# Altium PCB RGV_Control_1V21.PcbDoc (part 2 of 6) (continued)
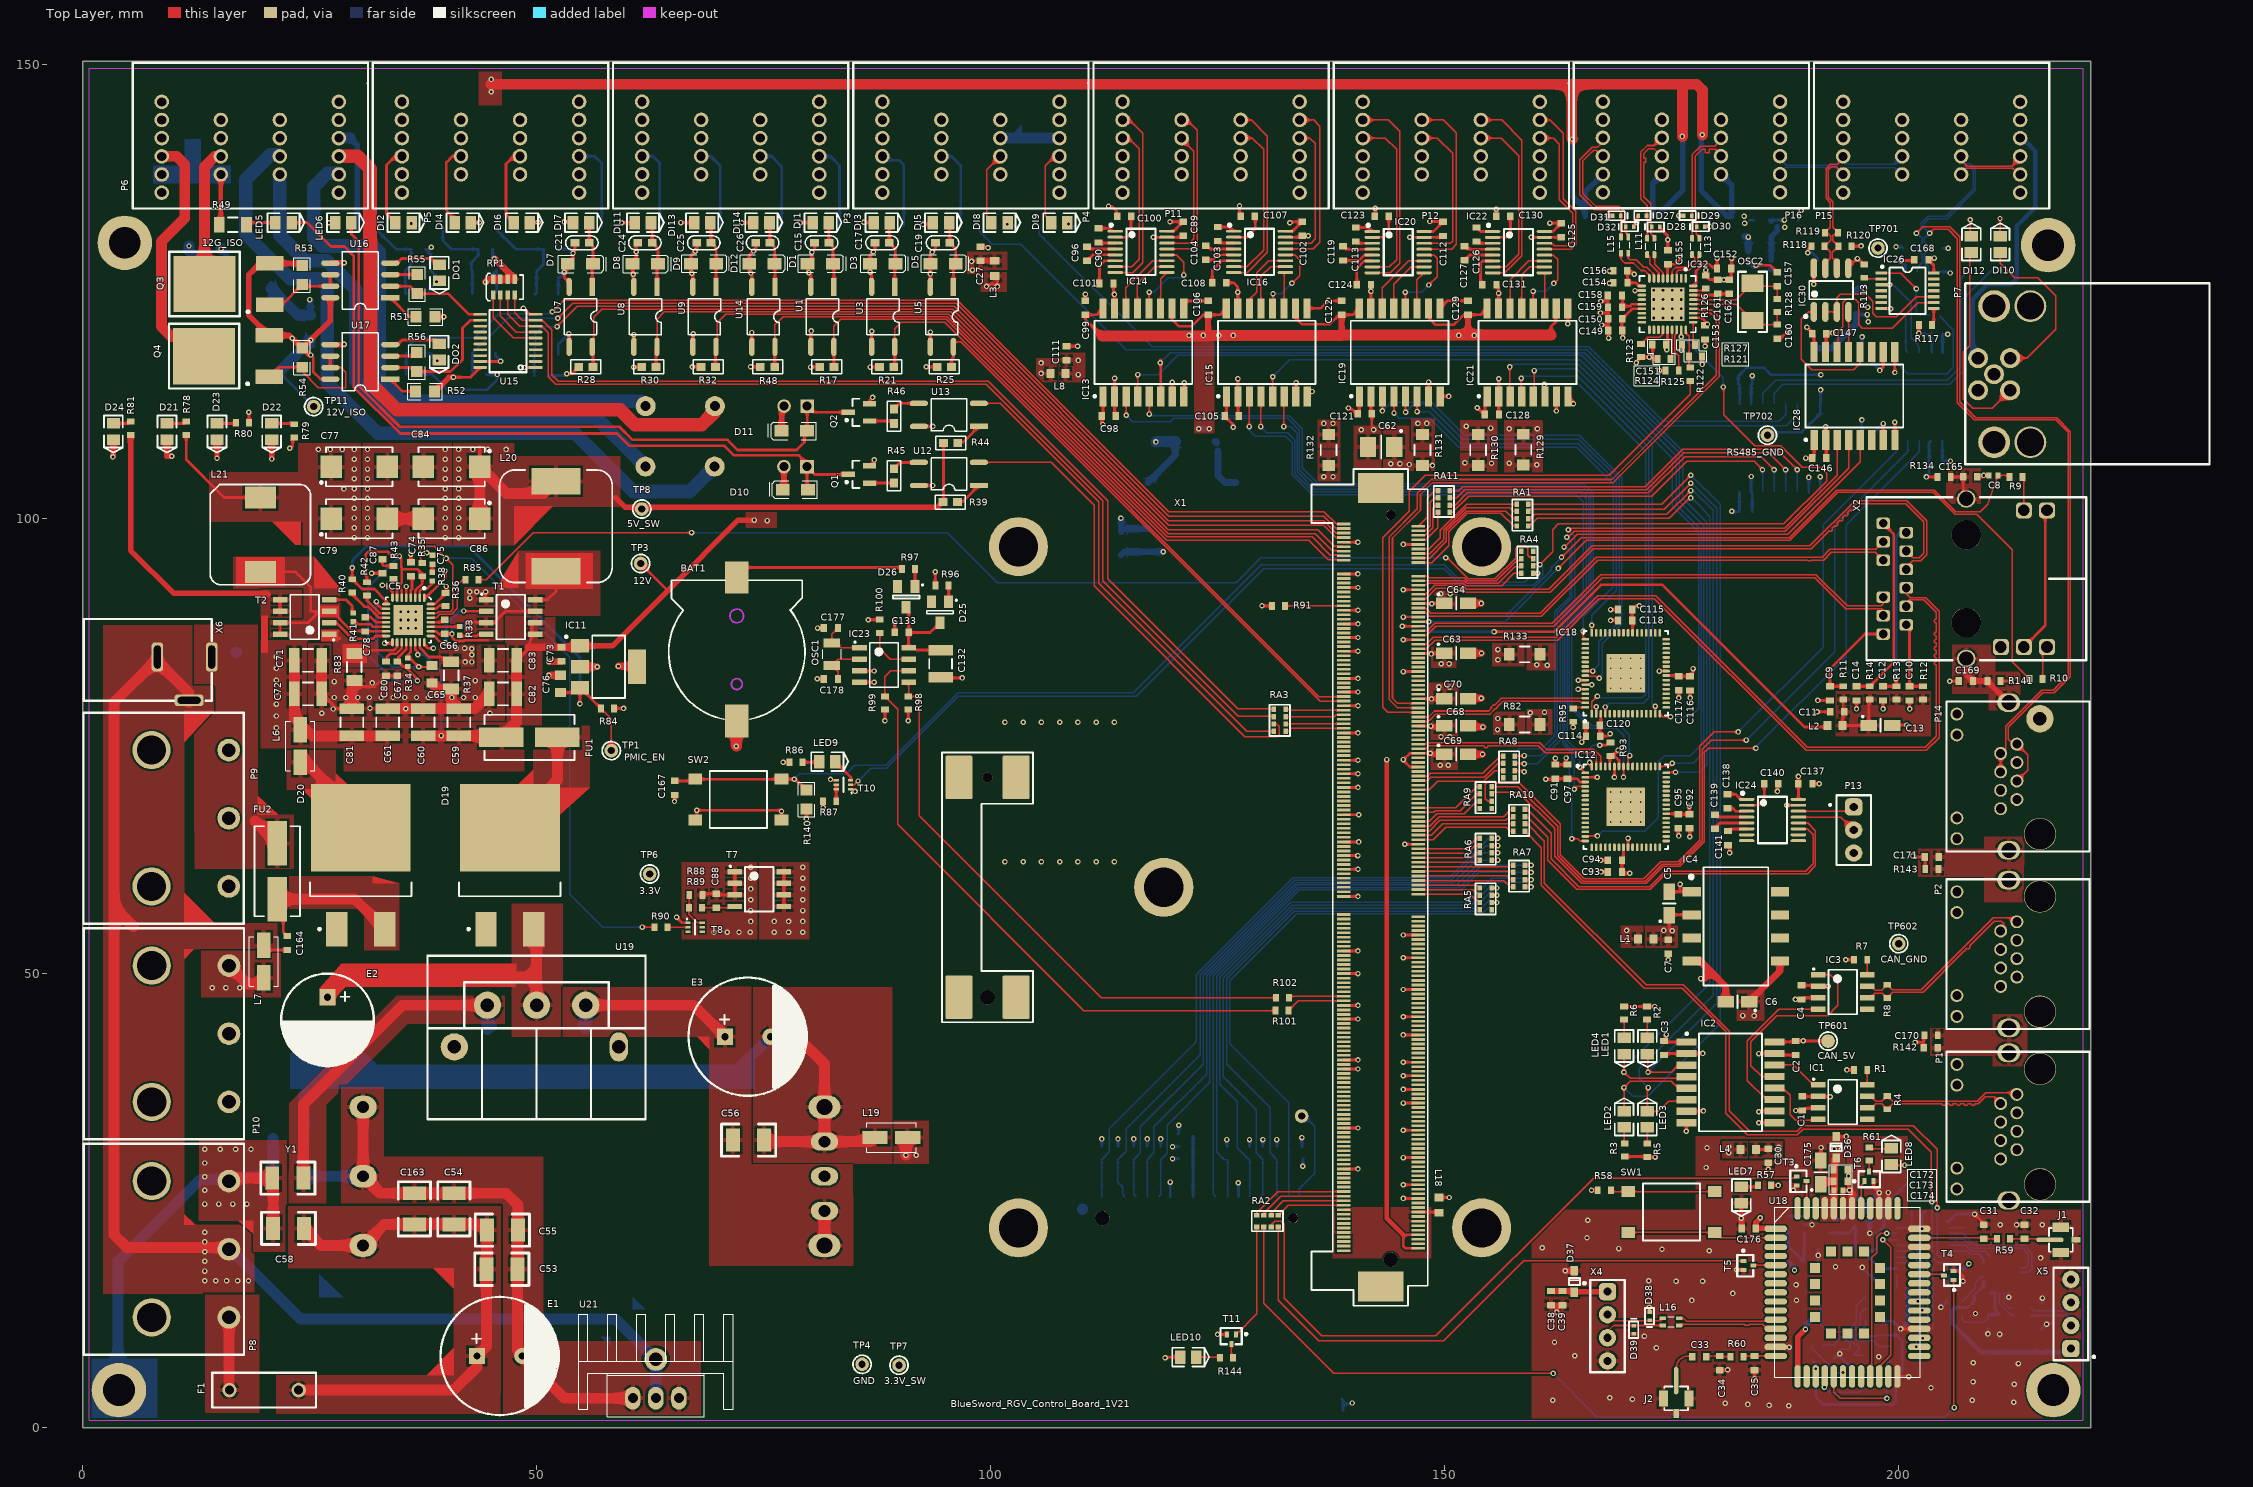
[diagram p0: Top Layer view]
## Part data (continued)
D10 D11: library part DIODE, "Diode"
D19 D20: library part D-VISHAY-MBRB735PBF, "MBRB735PBF Schottky Diode", Manufacturer Name=Vishay, Manufacturer Part No.=MBRB745
D21 D22 D23 D24: library part LED, "0805LED红"
D25 D26: library part D-Philips-BAT54-Schottky, "BAT54 Schottky Diode", Manufacturer Name=Philips, Manufacturer Part No.=BAT54
D27 D28 D29 D30 D31 D32 D38 D39 D41 D42: library part ZENER3, "TVS Diode"
D33 D34 D35 D36 D37 D40: library part Diode_TVS, "TVS Diode"
D43: library part Diode_ESD_Array, "ESD Protection Diode Array", Part Number=CESDLC5V0M5
DI1 DI2 DI3 DI4 DI5 DI6 DI7 DI8 DI9 DI10 DI11 DI12 DI13 DI14 DO1 DO2 LED1 LED2 LED3 LED4 LED5 LED6 LED7 LED8 LED10: library part LED, "0805LED绿"
E1: library part C-TA, "Capacitor TA", Rating=100V, Tolerance=20%, Type=TA
E2 E3: library part ELECTRO1, "插装电解电容"
F1: library part FUSE1, "直插12.5A保险丝"
FU1: library part FUSE, "贴片15A保险"
FU2: library part FUSE, "贴片3A保险"
IC1 IC3: library part IC-MC-MCP2551T-I/SN, "High speed CAN Transceiver", Manufacturer Name=Microchip, Manufacturer Part No.=MCP2551T-I/SN
IC2 IC13 IC15 IC19 IC21: library part IC-AD-ADuM1402ARWZ, "Digital Isolator"
IC4 IC7 IC17 IC31: library part IC-MORNSUN-B0505XT-SMD, "MORNSUN Isolated DC/DC Converter", Manufacturer Name=Murata, Manufacturer Part No.=B0505XT
IC5: library part IC-TI-TPS51120, "Power Supply Controller", Manufacturer Name="Texas Instruments", Manufacturer Part No.=TPS51120
IC6: library part IC-AD-ADuM1400ARWZ, "Digital Isolator 4IN"
IC8: library part IC-SILICON-CP2105, "Single-Chip USB To Dual UART Bridge", Manucfacturer Part NO.=CP2105, Manufacturer Name="SILICON LABS"
IC9: library part IC-TI-TXS0108EPWR, "8-Bit Bidirectional Voltage-level Translator", Manufacturer Name="Texas Instruments", Manufacturer Part No.=TXS0108EPWR
IC10: library part IC-SGMICRO-SGM2019, "LDO Input: 2.5V to 5.5V Output:1.2V to 5V", Manufacturer Name=SGMICRO, Manufacturer Part No.=SGM2019-ADJYN5G/TR
IC11: library part IC-ON-NCV4264-2ST50T3G, "NCV4264-2ST50T3G LDO Regulator", Manufacturer Name="ON Semiconductor", Manufacturer Part No.=NCV4264-2ST50T3G
IC12 IC18: library part IC-SILICON-CP2108, "Single-Chip USB To Quad UART Bridge", Manucfacturer Part NO.=CP2108, Manufacturer Name="SILICON LABS"
IC14 IC16 IC20 IC22 IC24: library part IC-MAXIM-MAX3232, "RS232"
IC23: library part IC-ST-M41T0M6, "RTC M41T0M6", Manufacturer Name=ST, Manufacturer Part No.=M41T0M6
IC25 IC28: library part IC-AD-ADuM1301ARW, "Digital Isolator", Manufacturer Name="Analog Devices", Manufacturer Part No.=ADuM1301ARW
IC26: library part IC-ST-M74HC02TTR, "Quad 2-Input NOR Gate", Manufacturer Name="ON Semiconductor", Manufacturer Part No.=MM74HC02
IC27 IC30: library part IC-AD-ADM3485EARZ, "ADM3485EARZ RS-485/RS-422 transceiver", Manufacturer Name="Analog Devices", Manufacturer Part No.=ADM3485EARZ
IC32: library part IC-SMSC-USB2514B-AEZC, "4 Port USB HUB", Manufacturer Name=SMSC, Manufacturer Part No.=USB2514B-AEZC
J1 J2: library part ANTENNA, "Generic Antenna"
L1 L2 L3 L4 L8 L9 L10 L17 L18: library part L-220R@100MHz-2A-25%-0603, "220R@100MHz 2A EMI FILTER", Rating=2A, Tolerance=25%
L5 L11 L13 L15 L16: library part L-Murata-DLW21SN900SQ2-90R@100MHz-330mA-25%, "Common Mode Choke High Speed 90R 330mA", Manufacturer Name=Murata, Manufacturer Part No.=DLW21SN900SQ2, Rating=330mA, Tolerance=25%
L6 L7 L19: library part L-Laird-35F0121-0SR-10-10A-25%, "Power Supply FB 10A", Rating=10A, Tolerance=25%
L20: library part L-Wurth-744771008-8.2uH-6.25A-20%, "Inductance 8.2uH 6.25A 20%", Manufacturer Name=Wurth, Manufacturer Part No.=744771008, Rating=6.25A, Tolerance=20%
L21: library part L-Wurth-7447797470-4.7uH-6.2A-20%, "Inductance 4.7uH 6.2A 20%", Manufacturer Name=Wurth, Manufacturer Part No.=7447797470, Rating=6.2A, Tolerance=20%
LED9: library part "LED-Osram-LS T670-K1L2-1", "LED red, Osram LS T670-K1L2-1", Color=RED, Manufacturer Name=Osram, Manufacturer Part No.="LS T670-K1L2-1"
OSC1: library part OSC-MC-CC4V-T1A-32.768KHz-30ppm-5x1.9mm, "Quartz 32.768kHz", Manufacturer Name="Micro Crystal", Tolerance=30ppm, Manufacturer Part No.=CC4V-T1A
OSC2: library part OSC-HORIZON-HEX24-24000MHz-18-50R-F-H2-T2-W2-T, "Quartz 24.0 MHz", Manufacturer Name=HORIZON, Tolerance=30ppm, Manufacturer Part No.=HEX24-24000MHz-18-50R-F-H2-T2-W2-T
P1 P2 P14: library part CON-TECon-8Header, "网口"
P3 P4: library part "Header 16H", "泰科4P端子", LatestRevisionDate=17-Jul-2002, LatestRevisionNote="Re-released for DXP Platform.", Publisher="Altium Limited"
P5 P6 P15 P16: library part "Header 16H", "泰科4p端子", LatestRevisionDate=17-Jul-2002, LatestRevisionNote="Re-released for DXP Platform.", Publisher="Altium Limited"
P7: library part "Header 4H", "泰科M8端子", LatestRevisionDate=17-Jul-2002, LatestRevisionNote="Re-released for DXP Platform.", Publisher="Altium Limited"
P8 P9 P10: library part "Header 3", "泰科电源端子座", LatestRevisionDate=17-Jul-2002, LatestRevisionNote="Re-released for DXP Platform.", Publisher="Altium Limited"
P11 P12: library part MHDR1X16, "泰科4P端子", LatestRevisionDate=17-Jul-2002, LatestRevisionNote="Re-released for DXP Platform.", Publisher="Altium Limited"
P13: library part "Header 3", "Header, 3-Pin", LatestRevisionDate=17-Jul-2002, LatestRevisionNote="Re-released for DXP Platform.", Publisher="Altium Limited"
Q1 Q2: library part NPN, "贴片三极管"
Q3 Q4: library part MOSFET-P1, "P-Channel MOSFET", LatestRevisionDate=17-Jul-2002, LatestRevisionNote="Re-released for DXP Platform.", PackageDescription="TO, Flat Index; 3 In-Line, Axial Leads; Body Dia. 4.6mm; Lead Dia. 0.5 mm (max)", PackageReference=E3, PackageVersion=1995/1996, Published=8-Jun-2000, Publisher="Altium Limited"
R1 R7 R11 R12 R13 R14 R36 R40 R59 R60 R74 R85 R90: library part R-0R-63mW-1%-0603, "Resistor 0 ohm 63mW 1% 0603", Rating=63mW, Tolerance=1%
R2 R3 R5 R6 R35 R42 R71 R87 R88 R89 R100 R113 R117 R121 R123 R124 R125 R127 R140: library part R-100KR-63mW-5%-0603, "Resistor 100 Kohm 63mW 5% 0603", Rating=63mW, Tolerance=5%
R4 R8: library part R-120R-250mW-5%-0603, "Resistor 120 ohm 250mW 5% 0603", Rating=250mW, Tolerance=5%
R9 R10: library part R-150R-63mW-1%-0603, "Resistor 150 ohm 63mW 1% 0603", Rating=63mW, Tolerance=1%
R15 R16 R19 R20 R23 R24 R27 R29 R31 R47 R49 R50 R51 R52 R53 R54 R55 R56: library part RES2, "贴片电阻"
R17 R18 R21 R22 R25 R26 R28 R30 R32 R39 R44 R45 R46 R48: library part RES, "贴片电阻"
R33 R34 R41: library part R-4.7R-63mW-5%-0402, "Resistor 4.7 ohm 63mW 5% 0402", Rating=63mW, Tolerance=5%
R37 R83: library part R-15mR-250mW-1%-1206, "Resistor 15 mohm 250mW 1% 1206", Rating=250mW, Tolerance=1%
R38: library part R-6.2KR-63mW-1%-0402, "Resistor 6.2 Kohm 63mW 1% 0402", Rating=63mW, Tolerance=1%
R43: library part R-10KR-63mW-1%-0603, "Resistor 10 Kohm 63mW 1% 0603", Rating=63mW, Tolerance=1%
R57 R78 R79 R86 R134 R135 R141 R142 R143: library part R-120R-63mW-5%-0603, "Resistor 120 ohm 63mW 5% 0603", Rating=63mW, Tolerance=5%
R58 R65 R75 R84 R112: library part R-10KR-63mW-5%-0603, "Resistor 10 Kohm 63mW 5% 0603", Rating=63mW, Tolerance=5%
R61 R81 R144: library part R-1KR-63mW-5%-0603, "Resistor 1 Kohm 63mW 5% 0603", Rating=63mW, Tolerance=5%
R62 R63 R64 R122: library part R-22R-63mW-5%-0603, "Resistor 22 ohm 63mW 5% 0603", Rating=63mW, Tolerance=5%
R66: library part R-47KR-63mW-5%-0603, "Resistor 47 Kohm 63mW 5% 0603", Rating=63mW, Tolerance=5%
R67 R68 R69 R70: library part R-51K-5%-0603, "Resistor 51K ohm  5% 0603", Rating=63mW, Tolerance=5%
R72 R91 R93 R95: library part R-4.7kR-63mW-5%-0603, "Resistor 4.7 Kohm 63mW 5% 0603", Rating=63mW, Tolerance=5%
R76: library part R-34KR-63mW-1%-0603, "Resistor 34 Kohm 63mW 1% 0603", Rating=63mW, Tolerance=1%
R77: library part R-63.4KR-1%-0603, "Resistor 63.4 Kohm  1% 0603", Rating=63mW, Tolerance=1%
R80: library part R-220R-63mW-5%-0603, "Resistor 220 ohm 63mW 5% 0603", Rating=63mW, Tolerance=5%
R82: library part R-0R-63mW-1%-1206, "Resistor 0 ohm 330mW 1% 1206", Rating=63mW, Tolerance=1%
R96: library part R-470R-63mW-5%-0603, "Resistor 470 ohm 63mW 5% 0603", Rating=63mW, Tolerance=5%
R97: library part R-10R-63mW-5%-0603, "Resistor 10 ohm 63mW 5% 0603", Rating=63mW, Tolerance=5%
R98 R99: library part R-1.8KR-63mW-5%-0603, "Resistor 1.8 Kohm 63mW 5% 0603", Rating=63mW, Tolerance=5%
R101 R102: library part R-22R-63mW-5%-0402, "Resistor 22 ohm 63mW 5% 0603", Rating=63mW, Tolerance=5%
R103: library part R-33KR-63mW-5%-0603, "Resistor 33 Kohm 63mW 5% 0603", Rating=63mW, Tolerance=5%
R104 R105 R106 R107 R108 R109 R110 R111: library part R-68KR-63mW-5%-0603, "Resistor 68 Kohm 63mW 5% 0603", Rating=63mW, Tolerance=5%
R114 R115 R116 R118 R119 R120: library part R-NA-63mW-0603, "Resistor NA 63mW  0603", Rating=63mW, Tolerance=1%
R126: library part R-12KR-63mW-1%-0603, "Resistor 12 Kohm 63mW 1% 0603", Rating=63mW, Tolerance=1%
R128: library part R-1MR-63mW-5%-0603, "Resistor 1Mohm 63mW 5% 0603", Rating=63mW, Tolerance=5%
R129 R130 R131 R132 R133: library part R-0R-63mW-1%-1206, "Resistor 0 ohm 63mW 1% 1206", Rating=63mW, Tolerance=1%
R136 R137 R138: library part R-2KR-500mW-5%-2010, "Resistor 2 Kohm 500mW 5% 2010", Rating=63mW, Tolerance=5%
R139: library part R-2KR-500mW-5%-2010, Rating=63mW, Tolerance=5%
RA1 RA2 RA3 RA4 RA5 RA6 RA7 RA8 RA9 RA10: library part RA-22R-63mW-5%-1206-div, "Resistor Array 22 R 63mW 5% 1206", Power Dissipation=63mW, Tolerance=5%
RA11: library part RA-22R-63mW-5%-1206-div, Power Dissipation=63mW, Tolerance=5%
RP1: library part RP_0.S4, "贴片排阻", Text Field1=20, Text Field2=50
SW1 SW2: library part SW-WMF-TD-03XB, "Push Button", Manufacturer Name=WMF, Rating=50mA, Manufacturer Part No.=TD-03XB
T1 T2: library part T-Fairchild-FDS6982AS-N, "N-Channel PowerTrench SyncFET", Manufacturer Name=Fairchild, Manufacturer Part No.=FDS6982AS
T3 T4 T5 T6 T11: library part NPN_Bias_Resistor, "Bias Resistor Build-in NPN Transistor"
T7: library part T-Diodes-DMP2022LSS-13-8-SOIC, "p-channel MOSFET, DMP2022LSS-13", Manufacturer Name=DIODES, Manufacturer Part No.=DMP2022LSS-13
T8 T10: "Dual N-Channel 20V (D-S)  MOSFET", Manufacturer Name=Vishay, Manufacturer Part No.=SI-1024-X
TP1 TP2 TP3 TP4 TP6 TP7 TP8 TP10 TP11 TP601 TP602 TP701 TP702: "Testpin TH"
U1 U2 U3 U4 U5 U6 U7 U8 U9 U12 U13 U14: library part OPTOISO1, "光耦"
U10 U11: library part CRH-1C-DC12V, "泰科继电器"
U16 U17: library part MOCD217
U19: library part MBR3045T, "插装肖特基二极管，加散热片"
U20: "嵌入式48-12V电源模块"
X1: "MXM3 Connector", Manufacturer Name=JAE, Manufacturer Part No.=MM70-314-310B1, No. of ways=314
X2: library part CON-BEL-L829-1J1T-43, "Low profile 10/100/1G Mag Jack", Manufacturer Name=BEL, Manufacturer Part No.=L829-1J1T-43
X3: "NB-IOT CARD"
X4 X5: "USB  Connector", Manufacturer Name=FCI, Manufacturer Part No.=73725-0110BLF, No. of ways=4
X6: library part CON-SWC-RAPC722X, "Power Jack", Manufacturer Name=SWC, Manufacturer Part No.=RAPC722X
X7: library part CON-Amphenol-101-00565-64, "SD/MMC 8bit Card Holder", Manufacturer Name=Amphenol, Manufacturer Part No.=101-00565-64, No. of ways=13+2

## Free pads (board coordinates)
  round 6 hole 3.5: ""(4.039,4.089) ""(4.686,130.396) ""(216.42,130.142) ""(216.992,4.089)

## Via types
v1: diameter 0.6, hole 0.3, Top Layer to Bottom Layer, 778 vias
v2: diameter 0.5, hole 0.2, Top Layer to Bottom Layer, 32 vias
v3: diameter 0.6, hole 0.3, Top Layer to Bottom Layer, tented bottom, 25 vias

## Nets (pads, with @x,y where several pads share a name; then routed paths per layer and width w, separated by ;. In a path a pad name is that pad's centre, name@x,y a point inside that pad or via, vN(x,y) a via of type N, cw(c..) or ccw(c..) an arc to the next point about the centre after c; other vN are vias at no path point)
3.3V: C77.1 C79.1 C88.2 IC5.8 L21.2 R78.1 R82.1 R86.2 R87.2 R88.1 R129.1 R130.1 R131.1 R132.1 R133.1 R140.2 T7.1 T7.2 T7.3 TP6.1 | length 23.3
  Top Layer w0.3: R78.1@11.455,109.257 11.455,106.52 15.602,102.373 L21.2@19.609,102.373 ; v1(33.048,92.71) 33.401,92.71 34.155,91.956 IC5.8@34.155,91.325 ; R88.1@68.275,58.604 68.415,58.744 C88.2@69.799,58.744 69.939,58.604 T7.3@71.838,58.604 T7.2@71.838,59.874 T7.1@71.838,61.144 ; v1(77.15,73.226) R86.2@77.846,73.226 ; v1(79.725,67) R140.2@79.725,68.05 ; v1(81.55,68.225) 81.554,68.229 R87.2@81.554,68.933
  other v1: 69.549,54.5 71,54.5 72.3,54.5 73.525,54.5 73.6,55.692 73.6,56.883 73.6,58.075 73.6,59.267 73.6,60.458 73.6,61.65 159.41,78.664 160.975,78.715 161.29,83.896 160.122,83.947 29.95,97.95 29.95,99.028 29.95,100.106 29.95,101.183 29.95,102.261 28.804,103.302 29.95,103.339 29.95,104.417 29.95,105.494 29.95,106.572 25.994,107.65 27.313,107.65 28.631,107.65 29.95,107.65 157.099,109.931 160.195,109.931 155.067,110.007 152.375,110.211 136.677,110.515 137.693,110.515 147.041,110.515 148.006,110.515
3.3V_APALIS: C62.1 C63.1 C64.1 C68.1 C69.1 C70.1 R82.2 R129.2 R130.2 R131.2 R132.2 R133.2 X1.10 X1.30 X1.36 X1.52 X1.58 X1.66 X1.78 X1.90 X1.102 X1.108 X1.314 X1.320 | length 82.8
  Top Layer w0.3: v1@145.319,86.696 v1(145.428,86.696) X1.52@147.062,86.696 ; v1@145.421,92.196 v1(145.431,92.196) X1.30@147.062,92.196 ; v1(145.431,97.196) X1.10@147.062,97.196 ; v1@145.502,83.196 X1.66@147.062,83.196 ; X1.320@147.062,19.696 145.67,19.696 145.427,19.939 145.427,21.196 X1.314@147.062,21.196 ; X1.108@147.062,72.696 146.167,72.696 145.427,73.435 v1(145.427,73.508) 145.473,73.508 146.162,74.196 X1.102@147.062,74.196 v1(148.41,74.196) ; X1.90@147.062,77.196 v1(148.458,77.196) ; X1.78@147.062,80.196 v1@148.531,80.196 ; X1.58@147.062,85.196 C63.1@149.936,85.196 ; X1.36@147.062,90.696 C64.1@149.95,90.696
  Top Layer w0.5: v1(143.612,73.508) 143.612,23.012 145.427,21.196 ; v1(148.41,74.196) 148.514,74.092 C69.1@149.957,74.092 ; v1(148.458,77.196) 148.565,77.089 C68.1@149.957,77.089 ; v1@148.531,80.196 v1(148.539,80.188) 148.565,80.213 C70.1@149.957,80.213 ; C63.1@149.936,85.196 C63.1@149.957,85.217 ; C64.1@149.95,90.696 C64.1@149.957,90.703
  other v1: 149.489,72.873 150.393,72.873 149.581,76.022 150.546,76.022 155.804,76.81 155.829,78.029 150.546,81.483 149.352,81.509 145.428,83.196 149.606,84.049 150.47,84.049 155.854,84.506 148.502,85.141 155.854,85.623 148.565,90.653 149.555,91.77 150.597,91.77 136.677,104.648 137.693,104.648 148.641,105.893 160.122,105.969 146.075,105.994 144.062,106.07 145.059,106.07 155.143,106.121 157.101,106.147 152.217,106.197
3.3V_CAN: C3.2 C5.1 C7.2 IC2.1 IC2.7 IC4.2 L1.2 R2.2 R3.2 R5.1 R6.1 | length 16.6
  Top Layer w0.3: R6.1@169.725,46.325 R2.2@172.25,46.325 v1(173.125,46.325) ; R3.2@169.8,29.8 172.25,29.8 R5.1@172.275,29.775 172.3,29.75 v1(173.15,29.75) ; L1.2@172.965,53.75 L1.2@173.165,53.95 ; v1@174.396,43.213 174.267,43.083 174.267,42.409 IC2.1@176.608,42.409 ; v1(174.396,43.231) v1@174.396,43.263 ; v1(175.05,54.675) 174.877,54.675 174.701,54.851 C5.1@174.701,56.364 174.752,56.414 IC4.2@177.192,56.414 ; IC2.7@176.608,34.789 178.439,34.789 v1(178.475,34.825)
  other v1: 174.1,54.696
3.3V_MMC: C134.2 C135.2 L9.1 X7.9 | length 6.6
  Bottom Layer w0.3: X7.9@122.287,25.4 122.287,30.875 L9.1@122.287,32.028
3.3V_NB: C30.2 C45.2 C172.2 C173.2 C174.2 C175.1 C176.1 D36.1 IC9.19 L4.2 L17.2 LED8.A R57.1 U18.1 U18.50 U18.51 | length 17.9
  Top Layer w0.3: L4.2@184.24,30.575 185.525,30.575 C30.2@185.625,30.675 ; R57.1@185.925,26.65 186.7,26.65 v1(186.725,26.625) ; LED8.A@199.466,28.879 199.495,28.85 v1(200.625,28.85)
  Top Layer w0.6: v1(184.734,23.063) 184.239,22.568 C176.1@184.239,21.895 186.39,21.895 U18.1@186.435,21.85
  Top Layer w0.75: C175.1@191.375,26.775 191.675,27.075 C173.2@192.9,27.075 ; U18.50@192.835,24.1 192.86,24.125 C174.2@192.86,26.075 192.9,26.115 C173.2@192.9,27.075 ; D36.1@193.075,29.645 192.9,29.47 192.9,28.335 C173.2@192.9,27.075
  Bottom Layer w0.3: IC9.19@205.466,17.443 207.029,17.443 207.099,17.374 C45.2@207.2,17.475 207.7,17.975 v1(207.7,18)
  Bottom Layer w0.6: L17.2@187.876,18.159 188.5,17.535 v1(188.5,17.3)
  other v1: 186.775,30.025 192.879,30.625 193.65,30.625 186.775,30.825
3.3V_RS232: C91.2 C92.2 C93.2 C94.2 C95.2 C97.2 C98.2 C105.2 C109.1 C111.2 C114.2 C115.2 C116.2 C117.2 C118.2 C120.2 C121.2 C128.2 C137.2 IC12.3 IC12.24 IC12.39 IC12.58 IC12.60 IC13.1 IC13.7 IC15.1 IC15.7 IC17.2 IC18.3 IC18.24 IC18.39 IC18.58 IC18.60 IC19.1 IC19.7 IC21.1 IC21.7 IC24.16 L8.2 R93.2 R95.2 | length 56.4
  Top Layer w0.3: v1(112.35,110.4) 112.23,110.52 C98.2@112.23,111.328 112.38,111.478 IC13.1@112.38,113.489 ; IC13.7@120,113.489 v1(120,115.03) ; IC15.1@125.969,113.489 125.969,111.529 C105.2@125.768,111.328 126.7,110.396 v1(126.7,110.1) ; IC15.7@133.589,113.489 133.625,113.525 v1(133.625,115) ; v1(139.395,112.217) 139.611,112.217 140.449,111.379 140.599,111.529 IC19.1@140.599,113.489 ; IC19.7@148.219,113.489 v1(148.219,115.069) ; v1(153.582,112.243) 154.425,111.4 154.425,113.243 IC21.1@154.671,113.489 ; v1(161.1,71.35) 162.091,71.35 C91.2@162.154,71.412 C97.2@163.5,71.412 164.539,71.412 164.901,71.051 IC12.3@165.476,71.051 ; v1(162.291,111.884) IC21.7@162.291,113.489 ; v1(164.125,77.075) 164.15,77.1 R95.2@164.15,77.675 ; v1(164.675,81.25) 164.682,81.257 IC18.60@165.476,81.257 ; v1(164.707,82.257) IC18.58@165.476,82.257 ; IC18.3@167.176,78.557 167.176,77.376 C120.2@167.075,77.275 167.075,76.1 C114.2@167.1,76.075 167.925,76.075 v1(168.2,76.35) ; IC12.60@168.176,72.751 168.176,74.078 R93.2@168.199,74.078 ; R93.2@168.25,73.925 R93.2@168.476,73.925 ; v1(169.075,74.524) R93.2@168.476,73.925 ; IC12.58@169.176,72.751 169.176,73.426 168.677,73.925 R93.2@168.476,73.925 ; IC12.24@169.676,63.851 169.676,62.602 C94.2@169.507,62.433 C93.2@169.507,61.189 ; v1(170.375,61) 169.696,61 C93.2@169.533,61.163 ; IC18.39@170.676,87.457 170.676,88.776 C118.2@170.625,88.827 C115.2@170.625,90.021 171.05,90.446 v1(171.4,90.446) ; IC12.39@174.376,67.551 175.693,67.551 C95.2@175.743,67.501 ; IC18.24@174.376,82.757 175.675,82.757 C117.2@175.743,82.69 175.768,82.665 C116.2@176.987,82.665 176.9,82.752 177.333,83.185 v1(177.333,83.525) ; C95.2@175.696,67.496 C92.2@176.941,67.496 176.941,68.334 v1(176.9,68.375) ; IC24.16@188.93,69.128 188.93,70.845 C137.2@188.925,70.85 188.925,71.645 v1(188.93,71.65) ; C93.2@169.507,61.189 C93.2@169.533,61.163 ; C93.2@169.507,61.189 C93.2@169.507,61.138 C93.2@169.533,61.163
  Bottom Layer w0.75: v1(114.35,100.075) 114.383,100.042 C109.1@114.383,98.621 114.692,98.93 IC17.2@117.325,98.93
  other v1: 109.65,115.9 109.65,117.45
3.3V_SW: C149.2 C150.2 C151.2 C152.2 C153.2 C154.2 C155.2 C156.2 IC32.5 IC32.10 IC32.15 IC32.23 IC32.29 IC32.36 L1.1 L3.1 L4.1 L8.1 L9.2 L10.1 LED10.A R79.1 R91.1 R96.2 R98.2 R99.2 R100.2 R103.2 R104.2 R105.2 R106.2 R107.2 R108.2 R109.2 R110.2 R111.2 R112.2 T7.5 T7.6 T7.7 T7.8 TP7.1 X2.14 X2.16 | length 63.7
  Top Layer w0.3: v1(22.829,107.772) 22.872,107.772 23.165,108.065 23.165,108.8 R79.1@23.343,108.978 ; T7.5@77.238,57.334 T7.6@77.238,58.604 T7.7@77.238,59.874 T7.8@77.238,61.144 ; v1(86.524,88.914) R100.2@87.808,88.914 ; v1(88.367,77.775) R99.2@88.367,79.006 ; v1@90.932,77.902 R98.2@90.932,79.006 ; R96.2@93.915,92.685 v1(93.915,94.197) ; v1(99.556,125.6) 99.775,125.6 100.15,125.975 100.35,125.775 100.75,125.775 100.75,126.447 L3.1@100.452,126.745 ; v1(119.202,7.645) 119.202,7.712 119.189,7.725 LED10.A@120.87,7.725 ; v1(129.875,90.446) 129.896,90.425 R91.1@130.975,90.425 ; C150.2@169.495,121.938 169.495,120.843 169.375,120.724 169.6,120.499 v1(169.6,119.925) ; C150.2@169.542,122.027 170.515,123 170.666,123.15 IC32.15@171.7,123.15 ; v1(170.85,126.937) 170.469,127.319 C156.2@170.09,127.319 170.116,127.293 C154.2@170.116,125.998 171.042,125.998 171.389,125.65 IC32.10@171.7,125.65 ; v1(174.422,118.618) 174.422,119.193 174.525,119.296 IC32.23@174.525,120.825 ; IC32.5@174.525,126.475 174.525,128.082 C155.2@174.574,128.033 175.41,128.033 175.925,128.548 v1(175.925,128.939) ; IC32.29@177.35,122.15 178.289,122.15 178.65,121.789 C153.2@178.65,121.314 ; IC32.36@177.35,125.65 177.65,125.95 177.65,127.3 178.4,128.05 179.075,128.05 179.4,127.725 179.81,127.725 C152.2@179.972,127.563 v1(179.972,128.689) ; X2.16@213.757,85.903 216.103,88.249 216.103,100.745 X2.14@216.297,100.94
  Bottom Layer w0.3: R109.2@112.243,30.926 v1(112.243,31.75) ; R108.2@114.021,30.926 v1(114.021,31.75) ; R107.2@115.748,30.926 115.75,30.928 v1@115.75,31.6 ; R103.2@117.221,30.926 117.25,30.955 v1@117.25,31.7 ; R106.2@118.72,30.926 118.72,31.742 118.725,31.747 v1(118.725,31.75) ; L9.2@120.635,32.325 120.701,32.391 v1(120.701,33.249) ; v1(126,31.675) 126,31.011 R105.2@126.086,30.926 ; R104.2@128.5,30.925 v1(128.5,31.675) ; R111.2@129.972,30.926 129.972,31.672 v1(129.975,31.675) v1@129.975,31.745 ; R110.2@131.521,30.926 v1@131.521,31.675 ; R112.2@134.275,30.85 v1(134.275,31.9) ; 183.543,132.882 L10.1@184.001,132.882
  other v1: 181.275,30.225 181.275,30.875 131.5,31.675 115.75,31.75 117.25,31.75 170.012,53.587 76.184,54.5 77.754,54.5 79.325,54.5 170.012,54.7 76.184,55.692 77.754,55.692 79.325,55.692 79.325,56.883 79.325,58.075 79.325,59.267 79.325,60.458 79.325,61.65 101.575,62.255 103.584,62.255 105.593,62.255 107.602,62.255 109.611,62.255 111.62,62.255 113.63,62.255 101.575,77.622 103.584,77.622 105.593,77.622 107.602,77.622 109.611,77.622 111.62,77.622 113.63,77.622 90.932,77.775 105.55,116.025 105.55,117.175 178.918,121.437 100.75,125.6 183,132.55 182.95,133.325
3.3V_SW_EN: R90.1 T8.2 | length 2.3
  Top Layer w0.15: R90.1@64.428,55.151 64.53,55.048 T8.2@66.676,55.048
3.3V_SW_EN#: C88.1 R89.1 T7.4 | length 3.7
  Top Layer w0.15: R89.1@68.238,57.207 68.251,57.194 C88.1@69.799,57.194 71.698,57.194 T7.4@71.838,57.334
3.3V_SW_EN_R#: R88.2 R89.2 T8.6 | length 4
  Top Layer w0.15: R88.2@66.825,58.604 66.825,57.244 R89.2@66.788,57.207 66.788,56.46 67.699,55.548 T8.6@68.256,55.548
3.3V_UART: C22.2 C142.2 C144.1 C146.2 C148.2 IC6.10 IC6.16 IC25.1 IC25.7 IC28.1 IC28.7 IC31.2 L10.2 | length 20.7
  Top Layer w0.3: v1(189.745,106.705) C146.2@190.462,106.705 190.662,106.906 IC28.1@190.662,108.688 ; v1(198.275,110.5) 198.282,110.493 IC28.7@198.282,108.688
  Bottom Layer w0.3: v1(181.6,100.85) 181.663,100.787 C22.2@182.308,100.787 182.438,100.917 IC6.16@182.438,102.973 ; L10.2@185.958,132.605 L10.2@185.681,132.882 185.706,132.907 v1(187.393,132.907) ; IC6.10@190.058,102.973 190.058,104.555 v1(190.078,104.575) ; IC25.7@197.16,108.588 197.16,109.385 v1(198.275,110.5) ; IC25.1@204.78,108.588 204.78,106.459 C142.2@204.864,106.375 v1(205.675,106.375)
  Bottom Layer w0.6: IC31.2@185.958,128.502 C144.1@185.958,131.089 186.585,131.717 186.585,132.175
  Bottom Layer w0.75: IC31.2@185.954,127.511 IC31.2@185.958,127.515
  other v1: 187.425,132.1
3V3: C27.2 L3.2 R17.2 R18.2 R21.2 R22.2 R25.2 R26.2 R28.2 R30.2 R32.2 R48.2 | length 23.8
  Top Layer w0.3: v1(53.35,116) 53.922,116 R28.2@54.661,116.738 ; v1(60.725,116.725) 60.738,116.738 R30.2@61.595,116.738 ; v1(67.175,116.738) R32.2@68.123,116.738 ; v1(73.575,116.75) 73.587,116.738 R48.2@74.651,116.738 ; v1(80.175,116.725) 80.188,116.738 R17.2@81.178,116.738 ; v1(86.75,116.725) 86.763,116.738 R21.2@87.757,116.738 ; v1(92.9,116.75) 92.912,116.738 R25.2@94.132,116.738 ; v1(97.9,128.35) v1@98,128.35 ; v1(98,127.4) 98.45,127.4 98.7,127.65
  Top Layer w0.6: C27.2@98.877,128.435 100.441,128.435 L3.2@100.452,128.425
  Bottom Layer w0.3: R18.2@37.237,115.937 38.513,115.937 40.225,114.225 44.575,114.225 45.695,115.345 v1(45.695,115.9) 45.425,115.9 45.411,115.886 R22.2@44.477,115.886 ; R26.2@51.32,115.786 53.136,115.786 v1(53.35,116)
5V_PGOOD: IC5.30 R35.1 R90.2 | length 68.6
  Top Layer w0.15: R35.1@37.44,95.137 37.262,95.315 37.262,96.622 37.643,97.003 38.731,97.003 v1(40.079,95.655) 40.792,94.942 40.792,90.043 40.549,89.8 39.23,89.8 39.055,89.625 IC5.30@38.355,89.625 ; v1(61.645,55.071) 62.956,55.071 R90.2@62.978,55.049
  Bottom Layer w0.15: v1(40.079,95.655) 42.795,95.655 53.675,84.775 53.675,58.696 57.3,55.071 v1(61.645,55.071)
5V_SW: C28.1 C84.1 C86.1 D33.1 D34.1 D35.1 IC5.1 IC7.2 L20.2 P16.5 P16.9 P16.13 R39.1 R44.1 R51.1 R52.1 R80.1 TP8.1 U15.20 | length 273.4
  Top Layer w0.3: v1(18.339,111.76) 18.353,111.746 R80.1@18.353,110.592 ; IC5.1@37.655,91.325 37.772,91.325 39.198,92.75 39.198,92.766 39.929,93.497 v1(39.929,94.285) ; v1(40.856,115.6) 42.739,115.6 U15.20@43.813,116.674 ; C84.1@43.753,105.742 43.753,107.997 ; R39.1@94.767,101.93 94.813,101.975 R44.1@94.813,108.475
  Top Layer w0.6: R52.1@38.794,114.046 40.348,115.6 v1(40.856,115.6) ; R51.1@38.82,122.25 v1(39.8,122.25) ; 58.75,102.311 59.792,101.27 94.107,101.27 R39.1@94.767,101.93
  Top Layer w1.2: C86.1@43.753,100.025 C84.1@43.753,105.742 46.701,102.794 50.803,102.794 L20.2@52.146,104.137 ; 45.009,147.853 163.982,147.853 ; v1(164.059,141.808) 163.982,141.884 163.982,147.853 ; 175.87,147.853 163.982,147.853 ; v1(176.149,142.113) 176.149,147.853 177.724,147.853 178.35,147.227 v1(178.35,142.291)
  Bottom Layer w0.3: P16.13@166.922,138.111 P16.13@167.085,137.948 ; P16.9@173.585,137.948 P16.9@173.676,137.857
  Bottom Layer w0.6: v1(15.275,129.725) 15.85,129.15 C28.1@15.85,128.025 15.709,127.884 IC7.2@15.709,125.382 ; v1(164.059,141.808) 164.059,135.491 165.445,134.105 ; D33.1@165.445,133.325 165.445,134.105 ; P16.13@167.407,137.948 165.445,135.986 165.445,134.105 ; P16.9@173.907,137.948 172.9,136.941 172.9,133.832 173.37,133.362 176.174,136.167 v1@176.174,142.113 ; v1@178.232,142.291 178.232,136.136 181.043,133.325 D35.1@181.587,133.325 181.587,136.768 P16.5@180.407,137.948
  Bottom Layer w1.2: v1(15.275,129.725) v1@15.35,129.725
  other v1: 41.425,97.95 41.425,99.028 41.425,100.106 41.425,101.183 41.425,102.261 41.425,103.339 41.425,104.417 41.425,105.494 41.425,106.572 41.425,107.65 43,107.65 44.65,107.65 46.65,107.65 45.009,147.041 45.009,148.387
12G_ISO: C29.2 IC7.4 U16.5 U17.5 | length 11.1
  Top Layer w0.6: U17.5@27.307,119.202 28.827,119.202 v1(28.85,119.225) ; U16.5@27.307,128.168 27.358,128.219 v1(28.829,128.219)
  Bottom Layer w0.3: IC7.4@20.789,125.382 IC7.4@20.789,126.049
  Bottom Layer w0.6: v1(25.05,124.15) 25.107,124.093 C29.2@25.107,122.421
  Bottom Layer w1.2: IC7.4@20.789,125.382 23.75,122.421 C29.2@25.107,122.421
12V_IN: FU2.1 X6.1 | length 3.5
  Top Layer w1.2: 19,66.752 FU2.1@21.463,64.289
12V_ISO: C29.1 IC7.5 Q3.3 Q4.3 R53.1 R54.1 TP11.1 U16.8 U17.8 | length 42.6
  Top Layer w0.3: R54.1@24.206,118.804 R54.1@24.271,118.804 ; R53.1@24.206,127.459 R53.1@24.206,127.898 ; v1@25.025,118.05 v1@25.05,118.05 ; v1@25.077,119.675 v1(25.15,119.675) ; v1(25.15,118.05) 25.425,117.775 25.425,116.175 26.208,115.392 U17.8@27.307,115.392 U17.8@27.309,115.39 ; U16.8@27.099,124.358 U16.8@27.307,124.358
  Top Layer w0.6: R53.1@24.206,127.898 23.962,128.142 Q3.3@20.633,128.142 19.592,128.142 18.325,126.875 18.325,122.473 Q4.3@20.591,120.207 22.803,120.207 v1(23.111,119.9) R54.1@24.206,118.804 v1@25.077,119.675 ; R54.1@24.271,118.804 v1@25.025,118.05 ; v1(25.15,119.675) 27.307,121.832 U16.8@27.307,124.358
  Bottom Layer w0.3: 22.041,116.566 22.041,115.804 TP11.1@25.336,112.509
  Bottom Layer w1.2: IC7.5@20.789,115.682 21.157,115.682 22.041,116.566 v1(25.15,119.675)
48V_IN: F1.1 P8.3 | length 8
  Top Layer w1.2: P8.3@16.15,12.1 16.15,4.154 16.145,4.149 F1.1@16.205,4.089
A1: IC30.6 P15.9 P15.13 P16.1 R119.1 R120.2 | length 29.7
  Top Layer w0.15: IC30.6@193.167,127.597 193.167,128.267 192.675,128.759 192.675,129.367 R120.2@193.331,130.023 192.725,130.629 192.725,131.175 193.071,131.521 R119.1@193.308,131.521 192.7,132.129 192.7,134.929 192.225,135.404 192.225,138.471 192.529,138.775 193.117,138.775 193.421,138.471 P15.13@193.421,137.923
  Bottom Layer w0.15: P16.1@186.611,137.923 186.585,137.948 186.798,137.948 187.55,138.7 193,138.7 193.273,138.427 193.273,137.775 194.173,138.675 199.475,138.675 199.921,138.229 P15.9@199.921,137.923